# Altium PCB Tracker_v1_1_small_1.PcbDoc
Units mm, origin at the board's own origin, x right, y up, seen from the top; angles counter-clockwise.
Board outline 30 x 30 mm, 2 copper layers (Top Layer, Bottom Layer), stack 1.671 mm thick; 76 components, 48 nets, 282 pads, 158 vias.
Unrouted connection lines stored in the file: 15.
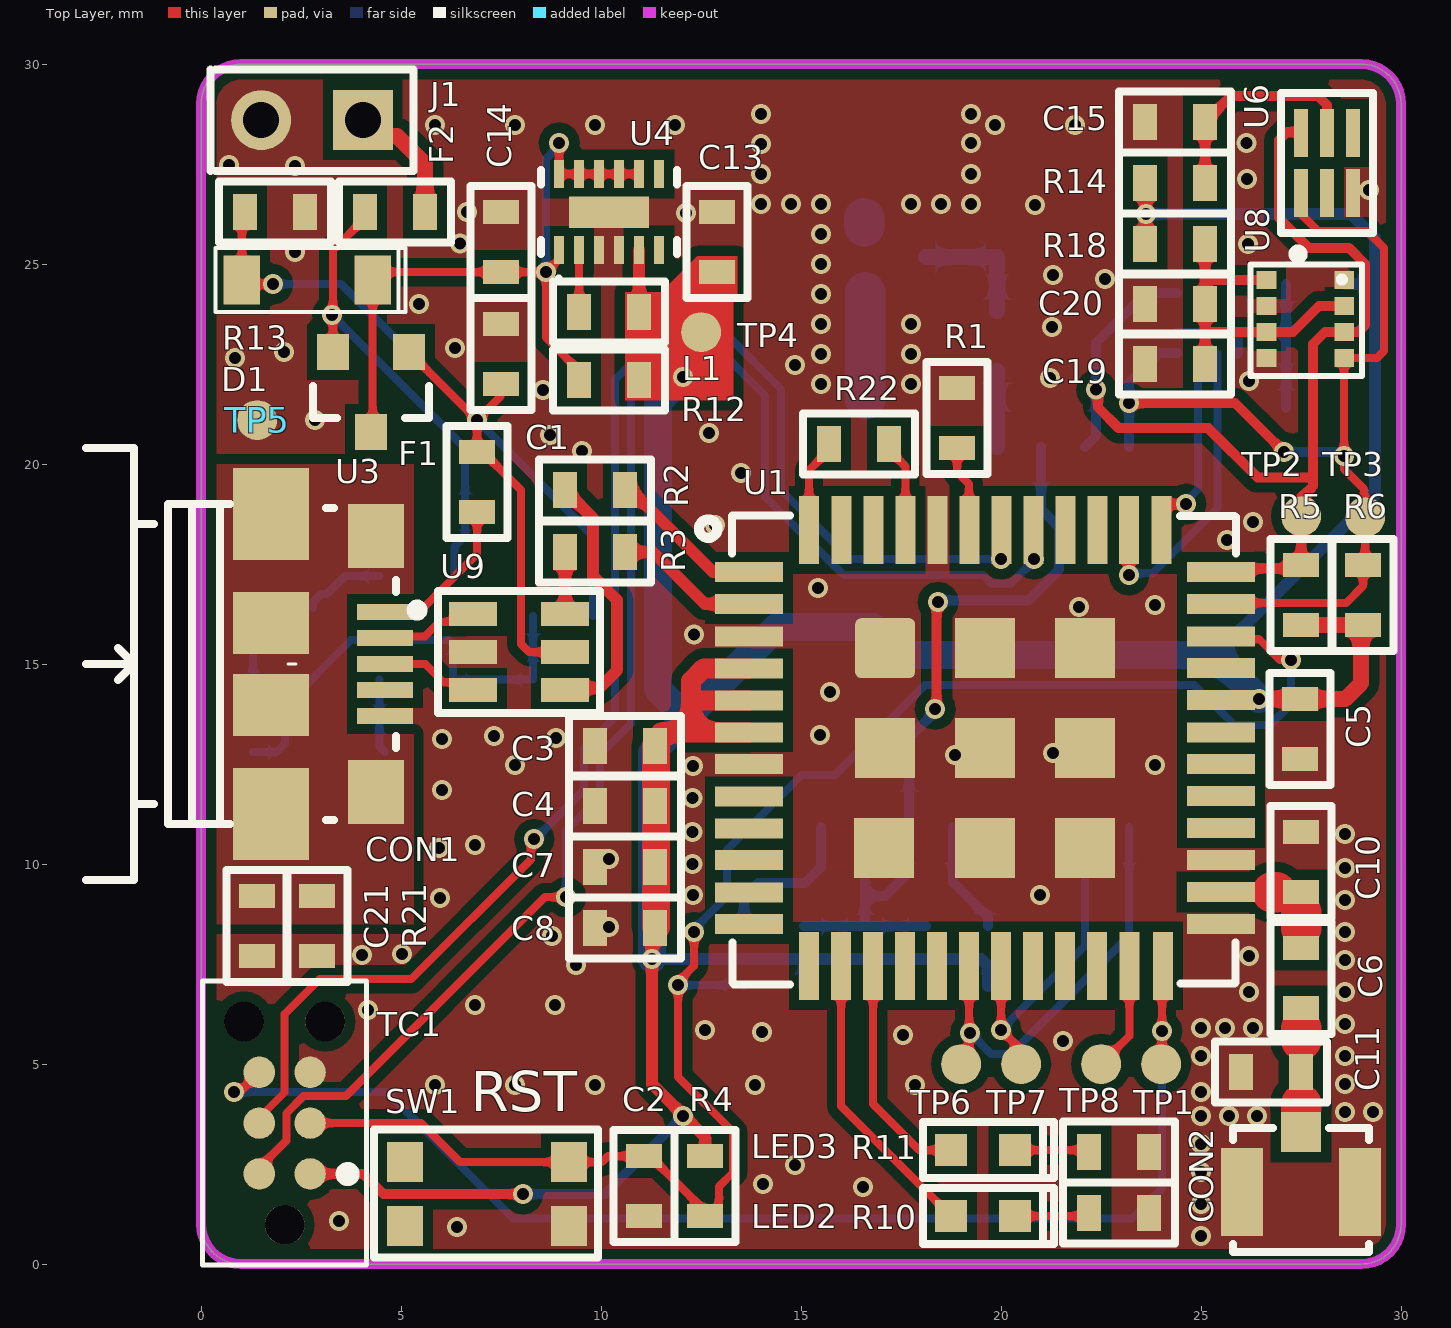
[diagram p0: Top Layer view]
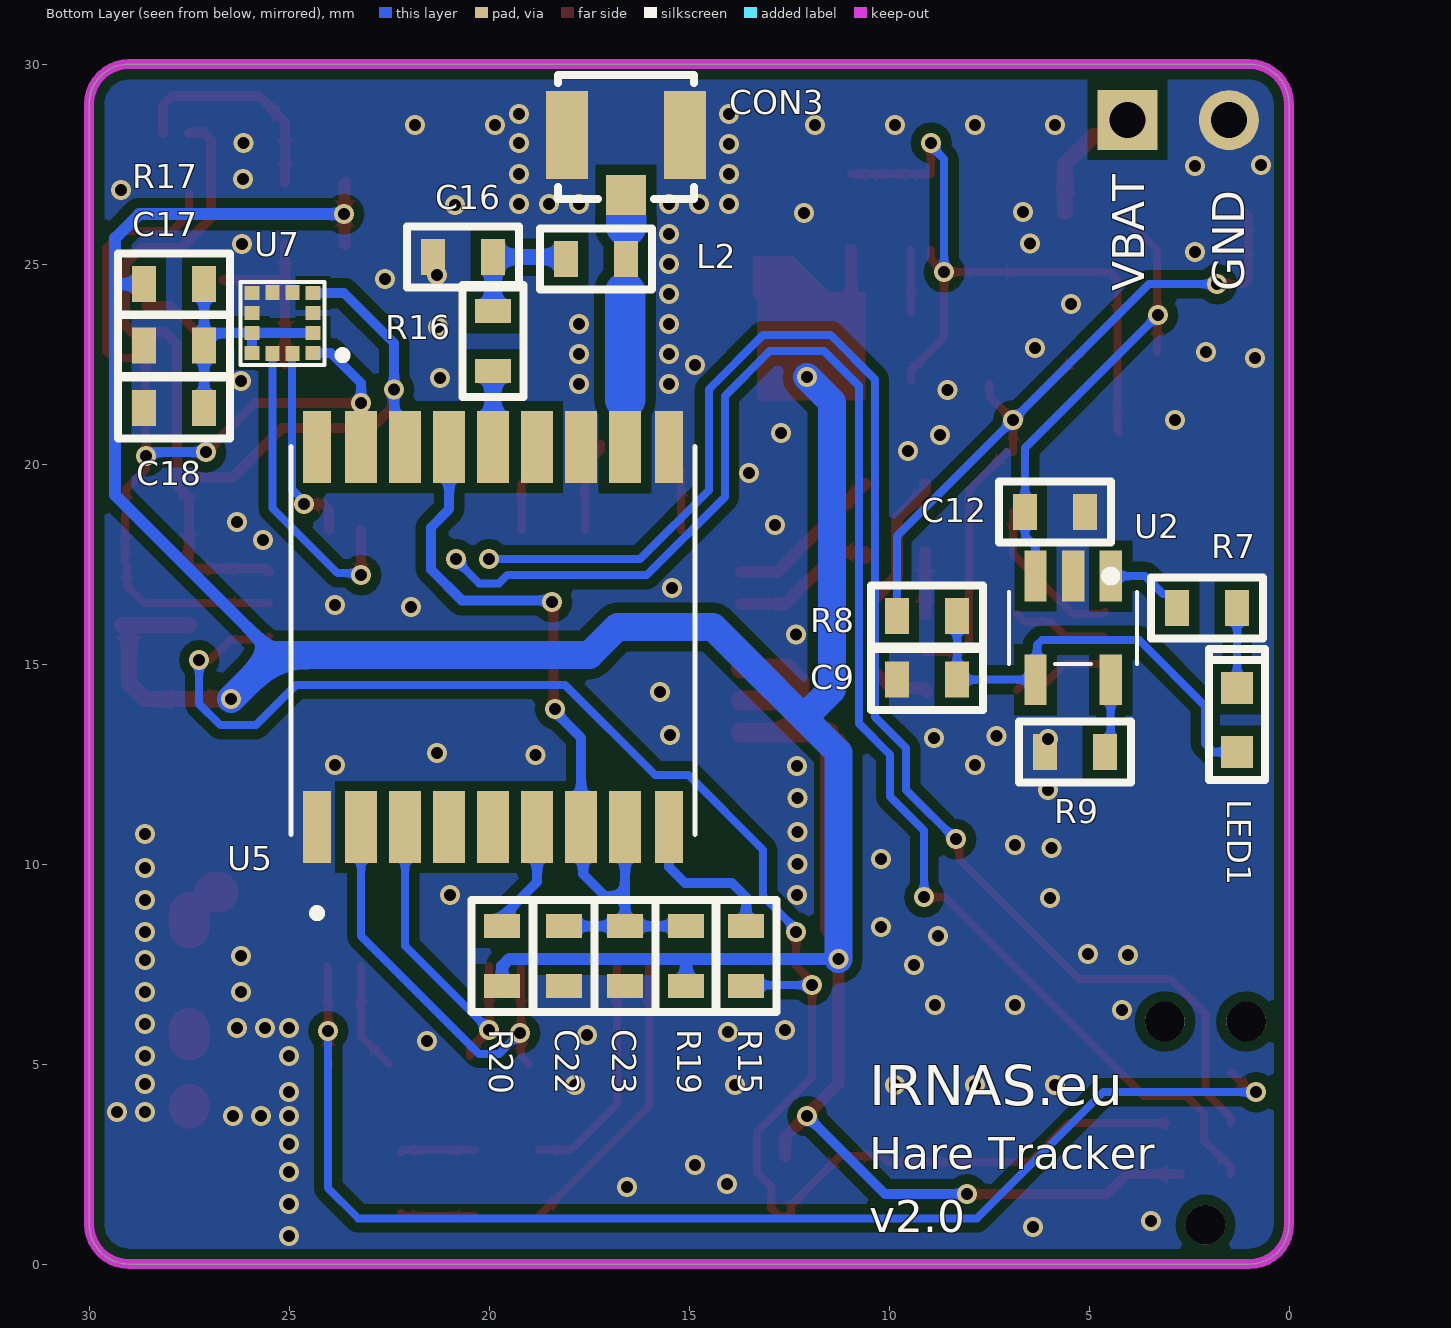
[diagram p1: Bottom Layer view, seen from below]
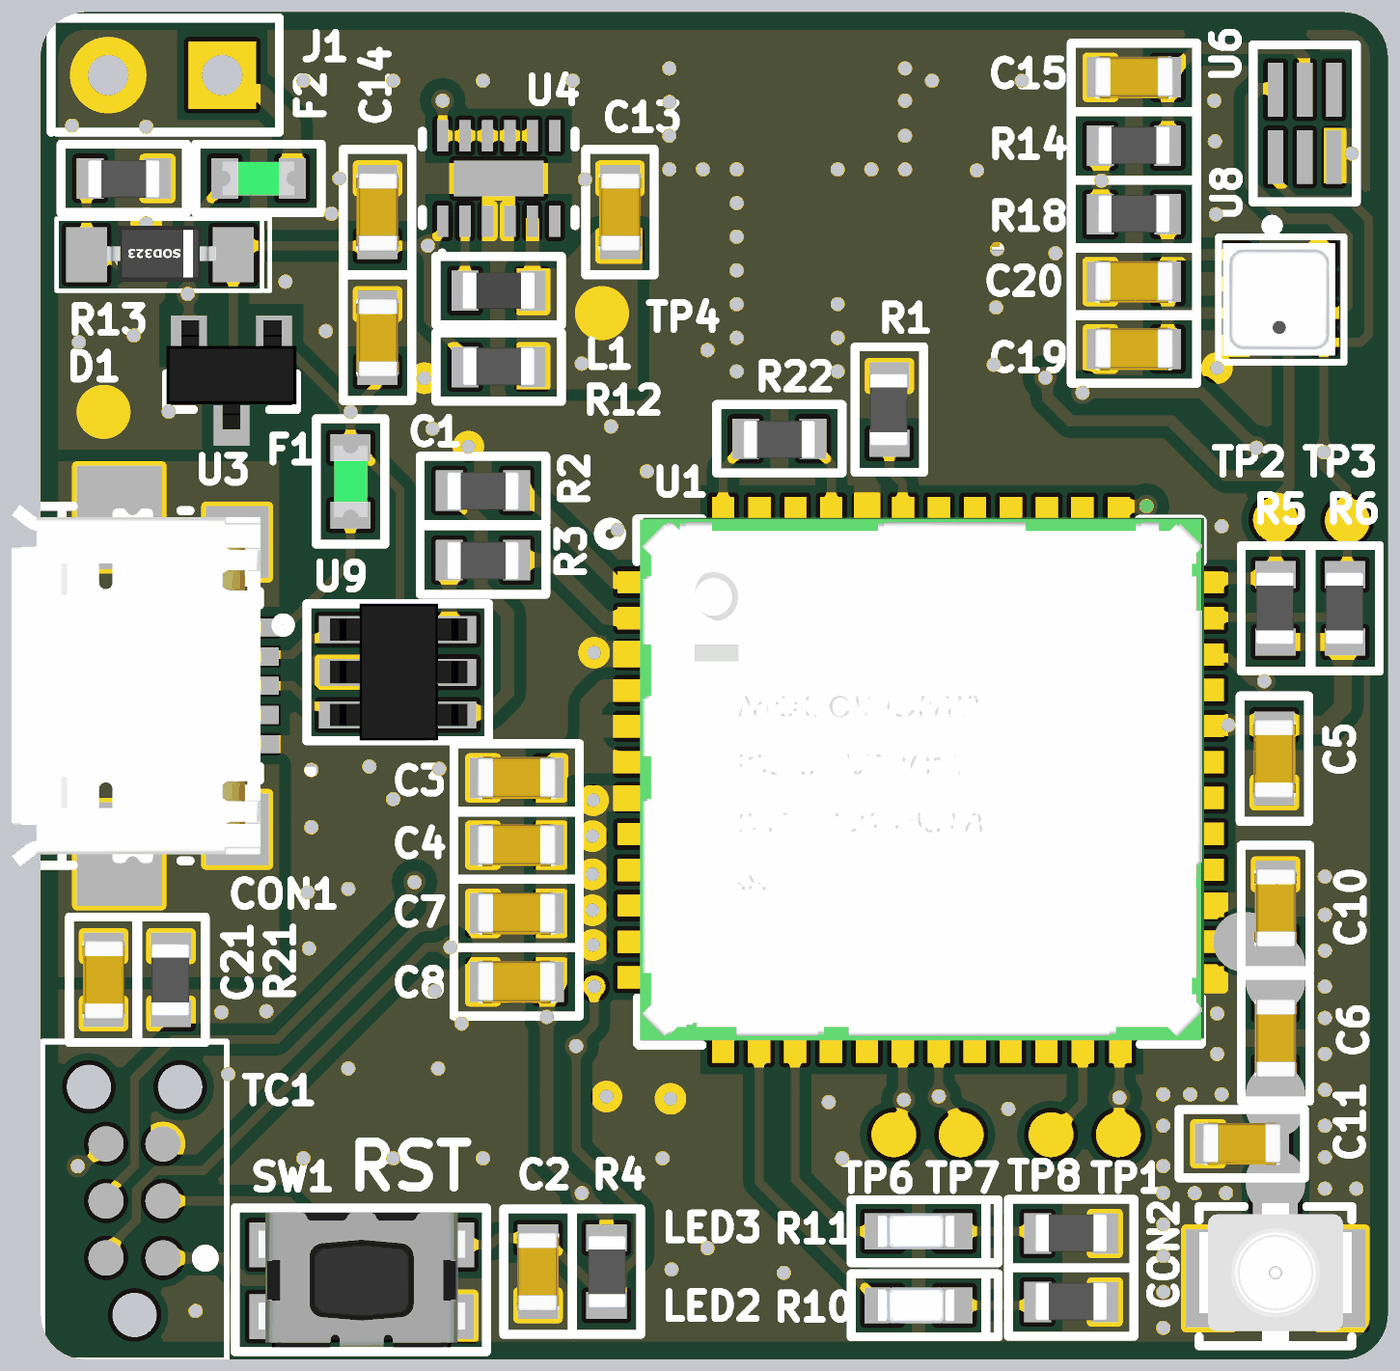
[diagram p2: 3D render of the assembled board from above, using the file's embedded part models]
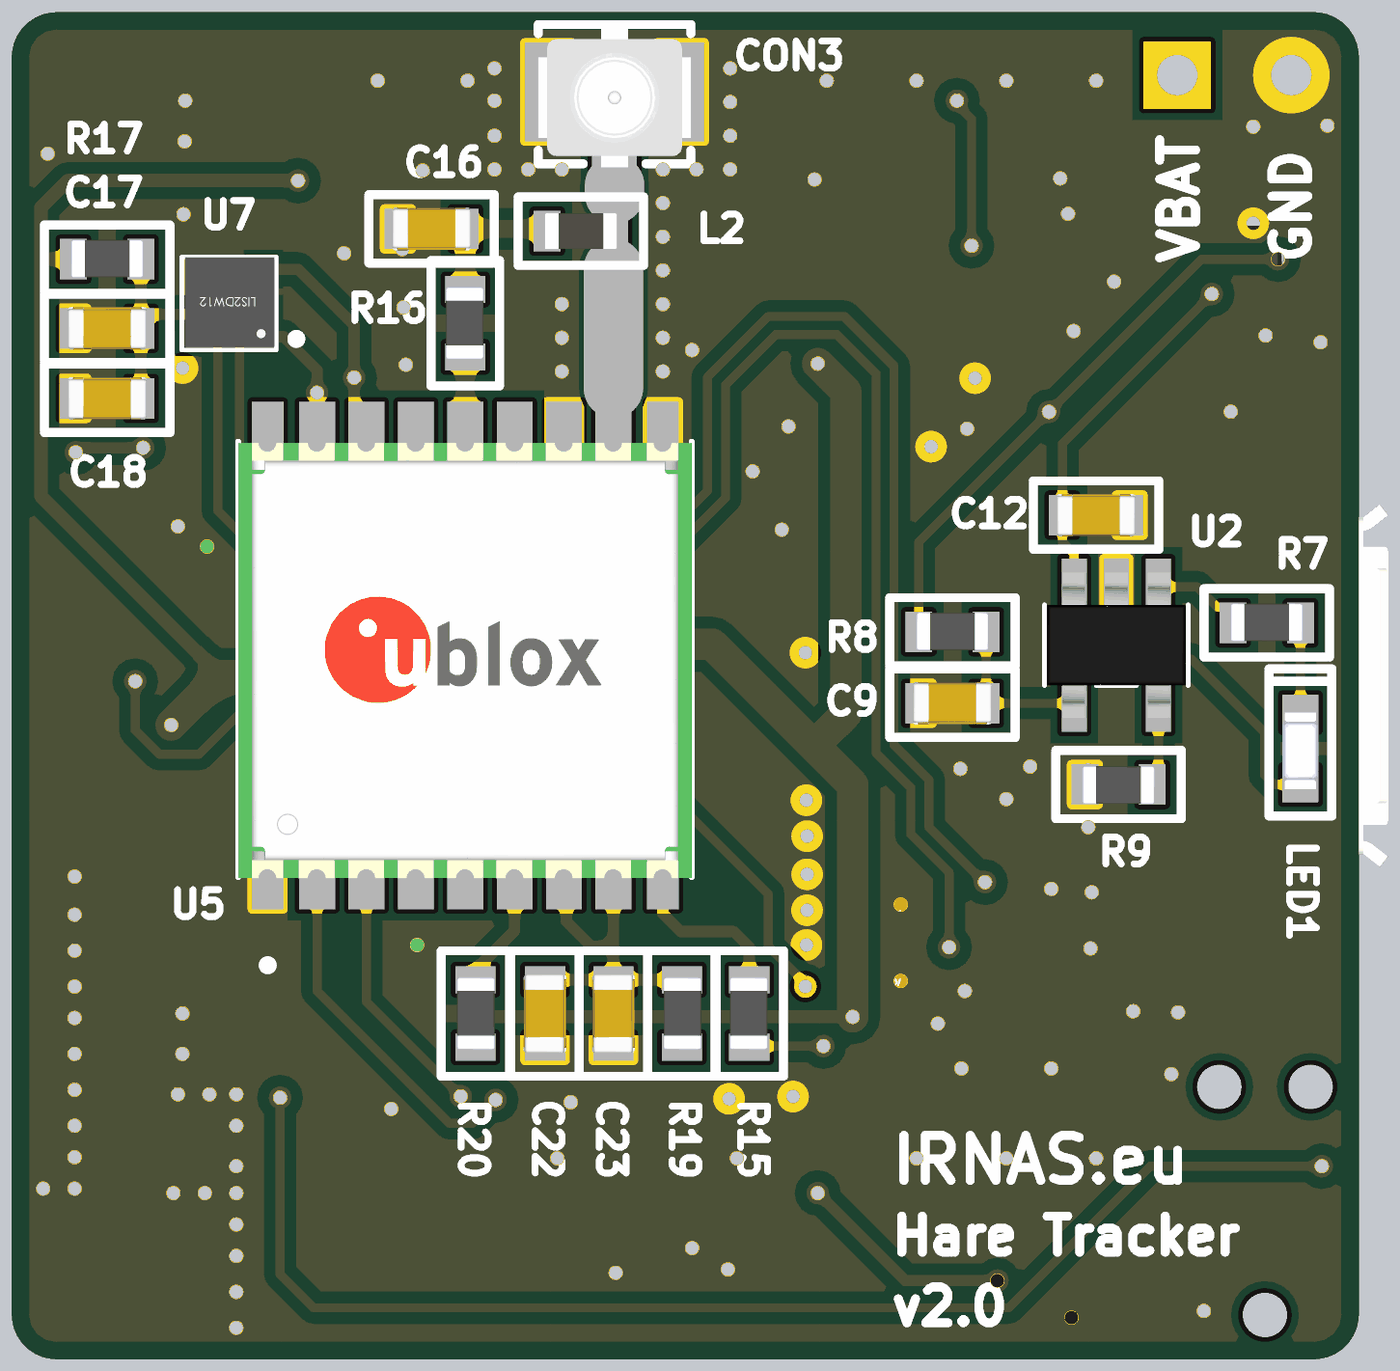
[diagram p3: 3D render of the assembled board from below, using the file's embedded part models]

## Layer stack, top to bottom
Top Solder: solder mask 0.0102, Solder Resist, Dk 3.5
Top Layer: signal copper 0.0356
Dielectric 1: dielectric 1.6, FR-4, Dk 4.8
Bottom Layer: signal copper 0.0356
Bottom Solder: solder mask 0.0102, Solder Resist, Dk 3.5

## Board outline
0,1 0,29 cw(c1,29) 1,30 29,30 cw(c29,29) 30,29 30,1 cw(c29,1) 29,0 1,0 cw(c1,1)

## Design rules (kind name [scope] priority, off if disabled: settings)
Clearance [All] p1: gap=0.254 ignorepadtopadclearanceinfootprint=FALSE except(0: Arc-Hole Track-Hole SMDPad-Hole THPad-Hole Via-Hole Fill-Hole Poly-Hole Region-Hole Text-Hole; 0.1: Arc-SMDPad Track-SMDPad SMDPad-SMDPad; 0.2: Arc-Arc Arc-Track Track-Track)
DiffPairsRouting [All] p1: maxlimit=0.254 minlimit=0.254 mostfreqgap=0.254 toplayer_minwidth=0.2 toplayer_maxwidth=0.3 toplayer_prefwidth=0.3 bottomlayer_minwidth=0.2 bottomlayer_maxwidth=0.3 bottomlayer_prefwidth=0.3 maxuncoupledlength=12.7
PolygonConnect [All] p1: connectstyle=Direct reliefconductorwidth=0.254 reliefentries=4 polygonreliefangle="90 Angle" airgapwidth=0.254
RoutingVias [All] p1: holewidth=0.3 width=0.5 viastyle="Through Hole" minholewidth=0.3 minwidth=0.5 maxholewidth=0.3 maxwidth=0.5
SolderMaskExpansion [All] p1: expansion=0.102
Width [All] p1: maxlimit=5 minlimit=0.2 preferedwidth=0.3
29 further rules are at their usual default settings.

## Classes and differential pairs
differential pair USB: +USB_P -USB_N
differential pair USB_R: +USB_R_P -USB_R_N
differential pair USB_A: +USB_A_P -USB_A_N

## Components (designator, comment, footprint, x,y, rotation, side; value= is the part's Value field where it differs from the comment)
C1 "10uF" C0603 7.5,23.5 r270 top
C2 "0.1uF" C0603 11.075,1.2 r90 top
C3 "0.1uF" C0603 9.85,12.946 r0 top
C4 "10uF" C0603 9.85,11.45 r0 top
C5 "1uF" C0603 27.475,12.625 r90 top
C6 "100pF" C0603 27.5,7.9 r270 top
C7 "0.1uF" C0603 9.85,9.93 r0 top
C8 "10uF" C0603 9.85,8.405 r0 top
C9 "0.1uF" C0603 9.8,14.609 r180 bottom
C10 "0.1uF" C0603 27.5,10.8 r270 top
C11 "0.1uF" C0603 26,4.8 r0 top
C12 "4.7uF" C0603 5.1,18.8 r0 bottom
C13 "10uF" C0603 12.9,26.3 r270 top
C14 "10uF" C0603 7.5,26.3 r270 top
C15 "1uF" C0603 23.6,28.55 r0 top
C16 "10nF" C0603 21.4,25.175 r180 bottom
C17 "10uF" C0603 27.125,22.96 r0 bottom
C18 "0.1uF" C0603 27.125,21.4 r0 bottom
C19 "0.1uF" C0603 23.6,22.5 r0 top
C20 "10uF" C0603 23.6,24 r0 top
C21 "0.1uF" C0603 1.4,9.2 r270 top
C22 "0.1uF" C0603 18.125,6.95 r90 bottom
C23 "10uF" C0603 16.6,6.95 r90 bottom
CON1 "Micro USB SMD" "MICRO usb conn" 4.6,15 r270 top
CON2 "73412-0110" "Antena connector" 27.5,3.3 r0 top
CON3 "73412-0110" "Antena connector" 16.575,26.725 r0 bottom
D1 "MBR120VLSFT1G" MBR120VLSFT1G 2.656,24.6 r180 top
F1 "1.5A" Fuse 6.9,18.8 r90 top
F2 "1.5A" Fuse 4.1,26.3 r0 top
J1 "HDR 1X2" "HEADER 2X1" 2.773,28.6 r180 top
L1 "2.2uH" L0603 9.45,23.8 r0 top
L2 "27nH" L0603 18.075,25.125 r180 bottom
LED1 "GREEN" LED_0603 1.3,14.4 r270 bottom
LED2 "GREEN" LED_0603 20.35,1.2 r180 top
LED3 "GREEN" LED_0603 20.35,2.85 r180 top
R1 "10K" R0603 18.9,21.9 r270 top
R2 "27R" R0603 9.1,19.35 r0 top
R3 "27R" R0603 9.1,17.8 r0 top
R4 "10K" R0603 12.6,1.2 r90 top
R5 "4.7K" R0603 27.5,17.475 r270 top
R6 "4.7K" R0603 29.05,17.475 r270 top
R7 "510R" R0603 1.3,16.4 r0 bottom
R8 "0R" R0603 8.3,16.2 r0 bottom
R9 "2K" R0603 6.1,12.8 r180 bottom
R10 "510R" R0603 23.7,1.275 r180 top
R11 "510R" R0603 23.7,2.8 r180 top
R12 "0R" R0603 10.95,22.1 r180 top
R13 "100K" R0603 1.1,26.3 r0 top
R14 "0R" R0603 25.1,27.025 r180 top
R15 "0R" R0603 13.575,8.45 r270 bottom
R16 "10R" R0603 19.9,23.825 r270 bottom
R17 "0R" R0603 27.125,24.5 r0 bottom
R18 "0R" R0603 25.1,25.5 r180 top
R19 "0R" R0603 15.075,6.95 r90 bottom
R20 "0R" R0603 19.675,6.95 r90 bottom
R21 "100K" R0603 2.9,9.2 r270 top
R22 "0R" R0603 15.7,20.5 r0 top
SW1 "KMR211GLFS" Button 9.2,2.55 r180 top
TC1 "TC2030" TC2030 2.09,3.525 r90 top
TP1 "TestPoint" "TEST POINT 1X1mm"#1 23.9,3.8 r90 bottom
TP2 "TestPoint" "TEST POINT 1X1mm"#2 27.5,18.7 r90 top
TP3 "TestPoint" "TEST POINT 1X1mm"#2 29.1,18.675 r90 top
TP4 "TestPoint" "TEST POINT 1X1mm"#2 12.5,23.3 r90 top
TP5 "TestPoint" "TEST POINT 1X1mm"#2 1.4,21.1 r90 top
TP6 "TestPoint" "TEST POINT 1X1mm"#3 18.925,5.2 r90 top
TP7 "TestPoint" "TEST POINT 1X1mm"#4 20.475,5.2 r90 top
TP8 "TestPoint" "TEST POINT 1X1mm"#5 22.45,3.85 r90 top
U1 "CMWX1ZZABZ-091" "Murata ABZ" 13.698,17.305 r0 top
U2 "MCP73831T-2ACI/OT" MCP73831T-2ACI/OT 4.46,17.2 r270 bottom
U3 "DMG3415U-7" DMG3415U-7 4.248,20.8 r180 top
U4 "TPS62740DSSR" TPS62740DSSR 8.95,25.35 r90 top
U5 "Ublox MAX M8" "Ublox MAX M8" 24.3,10.925 r90 bottom
U6 "TSL25911FN" TSL2591 27.5,26.775 r90 top
U7 "LIS2DH12TR" LIS2DH12 24.4,22.775 r0 bottom
U8 "BME280" BME280 28.575,24.6 r0 top
U9 "USBLC6-2SC6" USBLC6-2SC6 6.8,16.25 r0 top

## Footprints (in the part's own frame and the unit in brackets; to place one, negate y for a bottom-side part, rotate by r counter-clockwise, add the part's x,y. Pads: shape width x height; smd on the part's side, far side on the other; paste and mask are expansions set on the pad)
"Antena connector" [mm]
  rect 1x1 smd: 1(0,0)
  rect 1.05x2.2 smd: 2(-1.475,-1.5) 2(1.475,-1.5)
  silkscreen extent -1.7,-3 1.7,0.1, body extent -1.7,-2.92 1.7,0.18, height 1.25
BME280 [mm]
  rect 0.49x0.45 smd: 1(0,0) 2(0,-0.65) 3(0,-1.3) 4(0,-1.95) 5(-1.94,-1.95) 6(-1.94,-1.3) 7(-1.94,-0.65) 8(-1.94,0)
  silkscreen extent -2.34,-2.4 0.45,0.4, body extent -2.24,-2.25 0.26,0.25, height 0.92
Button [mm]
  rect 0.9x1 smd: 1(0,0) 2(4.1,0) 3(4.1,1.6) 4(0,1.6)
  silkscreen extent -0.73,-0.82 4.87,2.38, body extent -0.25,-0.71 4.35,2.29, height 2.1
C0603 [mm]
  rect 0.6x0.9 smd: 1(0,0) 2(1.5,0)
  silkscreen extent -0.65,-0.76 2.15,0.76, body extent -0.13,-0.48 1.63,0.48, height 0.98
DMG3415U-7 [mm]
  rect 0.8x0.9 smd paste+0 mask+0: 1(0,0) 2(0.95,-2) 3(-0.95,-2)
  silkscreen extent -1.45,-1.15 1.45,-0.35, body extent -1.45,-2.34 1.45,0.09, height 1.02
Fuse [mm]
  rect 0.6x0.9 smd: 1(0,0) 2(1.5,0)
  silkscreen extent -0.65,-0.76 2.15,0.76, body extent -0.05,-0.37 1.55,0.38, height 0.73
"HEADER 2X1" [mm]
  rect 1.5x1.5 hole 0.9: 1(-1.27,0)
  round 1.5 hole 0.9: 2(1.27,0)
  silkscreen extent -2.54,-1.27 2.54,1.27
L0603 [mm]
  rect 0.6x0.9 smd: 1(0,0) 2(1.5,0)
  silkscreen extent -0.65,-0.76 2.15,0.76, body extent -0.05,-0.4 1.55,0.4, height 0.75
LED_0603 [mm]
  rect 0.8x0.8 smd: 1(0,0) 2(1.6,0)
  silkscreen extent -0.98,-0.7 2.3,0.7, body extent 0,-0.4 1.7,0.4, height 0.65
LIS2DH12 [mm]
  rect 0.375x0.35 smd: 1(0,0) 2(0,-0.5) 3(0,-1) 4(0,-1.5) 7(1.525,-1.5) 8(1.525,-1) 9(1.525,-0.5) 10(1.525,0)
  rect 0.35x0.375 smd: 5(0.513,-1.513) 6(1.012,-1.513) 11(1.012,0.012) 12(0.513,0.012)
  silkscreen extent -0.84,-1.78 1.81,0.3, body extent -0.25,-1.77 1.75,0.23, height 0.63
MBR120VLSFT1G [mm]
  rect 0.91x1.22 smd: 1(-1.635,0) 2(1.635,0)
  silkscreen extent -2.45,-0.8 2.3,0.8, body extent -1.35,-0.82 1.35,0.83, height 1
MCP73831T-2ACI/OT [mil]
  rect 50x22 smd: 1(0,0) 2(0,-37) 3(0,-74) 4(102,-74) 5(102,0)
  silkscreen extent -4,-100 86,26, body extent -13,-98 115,24, height 54
"MICRO usb conn" [mm]
  rect 0.4x1.4 smd mask+0.05: 1(-1.3,0) 2(-0.65,0) 3(0,0) 4(0.65,0) 5(1.3,0)
  rect 1.6x1.4 smd: 6(-3.2,-0.225) 7(3.2,-0.225)
  rect 2.3x1.9 smd: 8(-3.75,-2.85) 9(3.75,-2.85)
  rect 1.55x1.9 smd paste-10: 10(-1.025,-2.85) 11(1.025,-2.85)
  silkscreen extent -5.4,-7.47 5.4,0.27, body extent -4.04,-5.25 4.04,0.31, height 2.77
"Murata ABZ" [mm]
  rect 1.7x0.5 smd paste-5: 1(0,0) 2(0,-0.8) 3(0,-1.61) 4(0,-2.41) 5(0,-3.21) 6(0,-4.01) 7(0,-4.8) 8(0,-5.61) 9(0,-6.41) 10(0,-7.2) 11(0,-8.01) 12(0,-8.8) 25(11.802,-8.805) 26(11.802,-8.004) 27(11.802,-7.202) 28(11.802,-6.405) 29(11.802,-5.605) 30(11.802,-4.805) 31(11.8,-4.01) 32(11.8,-3.2) 33(11.8,-2.4) 34(11.8,-1.61) 35(11.8,-0.8) 36(11.8,0)
  rect 0.5x1.7 smd paste-5: 13(1.5,-9.855) 14(2.302,-9.855) 15(3.102,-9.855) 16(3.902,-9.855) 17(4.702,-9.855) 18(5.502,-9.855) 19(6.302,-9.855) 20(7.102,-9.854) 21(7.902,-9.854) 22(8.702,-9.855) 23(9.509,-9.855) 24(10.35,-9.855) 37(10.31,1.05) 38(9.5,1.05) 39(8.71,1.05) 40(7.91,1.05) 41(7.11,1.05) 42(6.31,1.05) 43(5.51,1.05) 44(4.71,1.05) 45(3.91,1.05) 46(3.11,1.05) 47(2.31,1.05) 48(1.5,1.05)
  rrect20% 1.5x1.5 smd: 49(3.402,-1.905)
  rect 1.5x1.5 smd: 50(5.902,-1.905) 51(8.402,-1.905) 52(3.402,-4.405) 53(5.902,-4.405) 54(8.402,-4.405) 55(3.377,-6.905) 56(5.902,-6.905) 57(8.402,-6.905)
  silkscreen extent -1.25,-10.31 12.17,1.41, body extent -0.35,-10.2 12.22,1.43, height 1.76
R0603 [mm]
  rect 0.6x0.9 smd: 1(0,0) 2(1.5,0)
  silkscreen extent -0.65,-0.76 2.15,0.76, body extent -0.05,-0.43 1.55,0.41, height 0.7
TC2030 [mil]
  round 30.98 smd: 1(-50,-25) 2(-50,25) 3(0,-25) 4(0,25) 5(50,-25) 6(50,25)